# Altium PCB volt_sensor_breakout.PcbDoc (part 1 of 2) (continued)
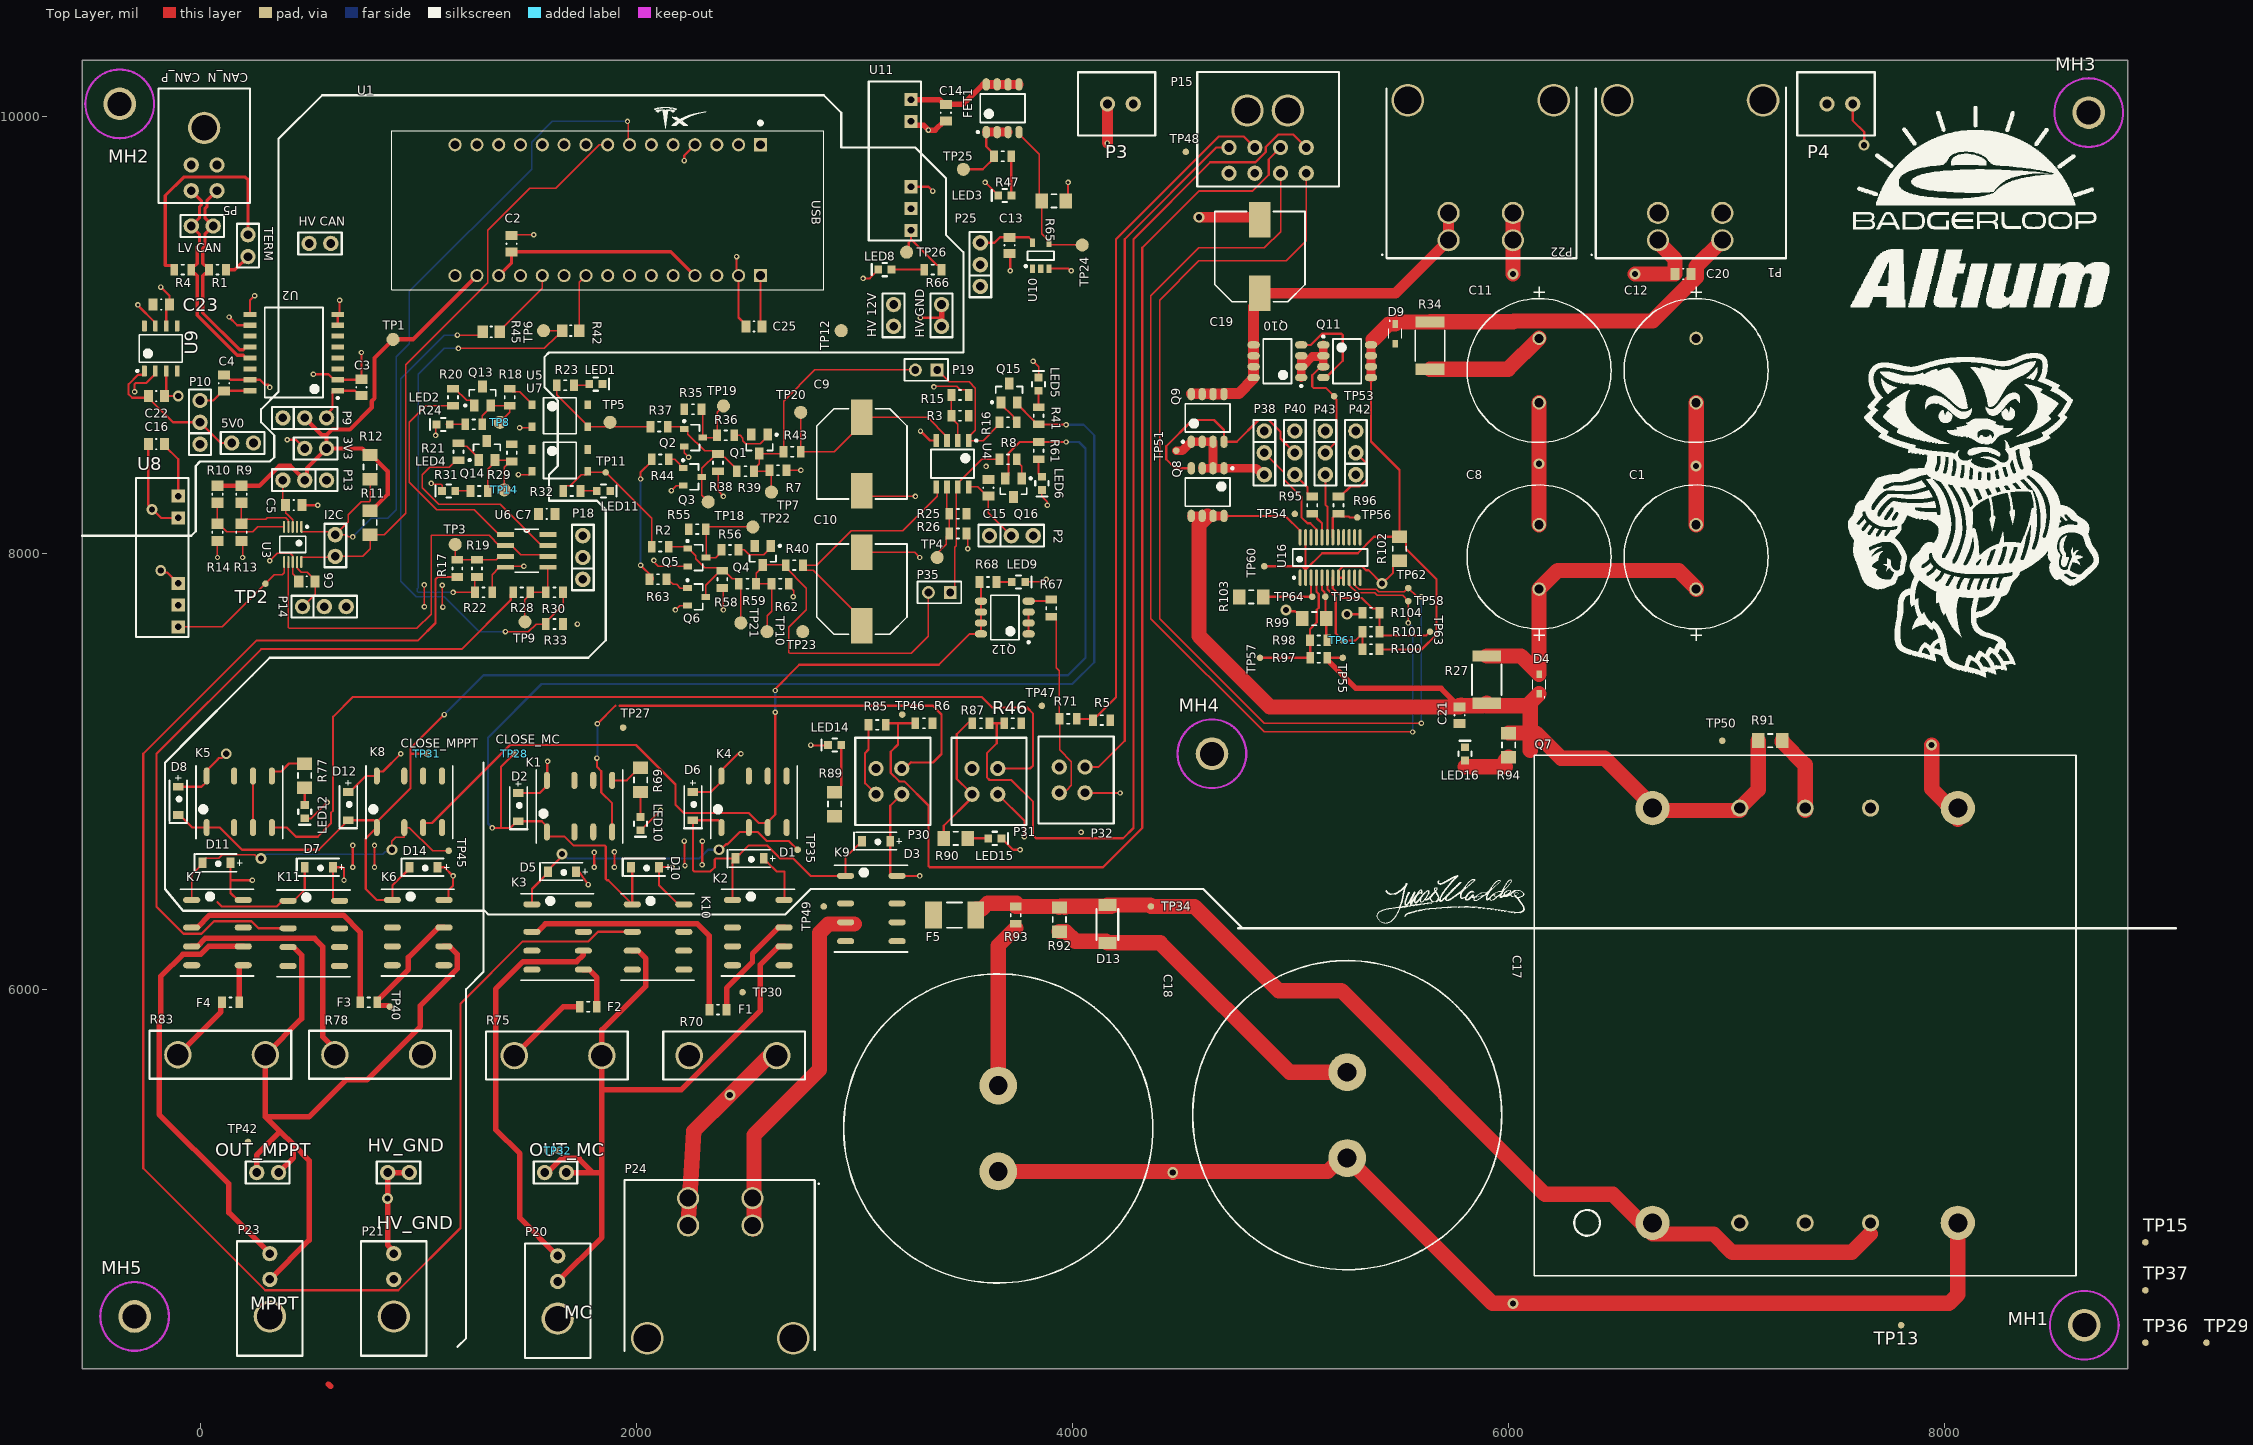
[diagram p0: Top Layer view]
## Components (designator, comment, footprint, x,y, rotation, side; value= is the part's Value field where it differs from the comment) (continued)
R61 "ERJ-P06J511V" SMD-0805-RES 3845,8470 r90 top value=510
R62 "ERJ-6ENF3602V" SMD-0805-RES 2660,7860 r180 top value=36k
R63 "ERJ-P06F1001V" SMD-0805-RES 2100,7880 r180 top value=1k
R65 "ERJ-8ENF1002V" SMD-1206-RES 3915,9615 r180 top value=10k
R66 "ERJ-P06J511V" SMD-0805-RES 3360,9300 r0 top value=510
R67 "ERJ-P06F1001V" SMD-0805-RES 3902.93,7747.82 r270 top value=1k
R68 "ERJ-P06J511V" SMD-0805-RES 3612.93,7867.82 r180 top value=510
R69 "RMCF1206FT510R" SMD-1206-RES 2020,6960 r270 top
R70 "AP101220RJ" TO-247-2 2644.36,5696.28 r180 top
R71 "3.46K" SMD-0805-RES 3980.63,7240 r0 top
R75 "AP101220RJ" TO-247-2 1441.21,5696.28 r0 top
R77 "RMCF1206FT510R" SMD-1206-RES 480,6980 r270 top
R78 "AP101220RJ" TO-247-2 1020,5700 r180 top
R83 "AP101220RJ" TO-247-2 -101.57,5700 r0 top
R85 "3.46K" SMD-0805-RES 3104.86,7212.35 r0 top
R87 "3.46K" SMD-0805-RES 3580.63,7220 r0 top
R89 "RMCF1206FT510R" SMD-1206-RES 2909.49,6849.42 r90 top
R90 "RMCF1206FT510R" SMD-1206-RES 3464.86,6692.35 r0 top
R91 "931k" SMD-1206-RES 7200,7140 r180 top
R92 "100R" SMD-1206-RES 3940,6320 r90 top
R93 "3" SMD-0805-RES 3740,6340 r90 top
R94 "RMCF1206FT510R" SMD-1206-RES 6000,7120 r270 top
R95 "10" SMD-0805-RES 5100,8220 r90 top
R96 "10" SMD-0805-RES 5220,8220 r90 top
R97 "1MR" SMD-0805-RES 5129.72,7520 r180 top
R98 "37.4kR" SMD-0805-RES 5129.09,7600 r180 top
R99 "73.2k" SMD-1206-RES 5109.09,7700 r0 top
R100 "1MR" SMD-0805-RES 5369.09,7560 r180 top
R101 "14.2kR" SMD-0805-RES 5369.09,7640 r180 top
R102 "3.3k" SMD-1206-RES 5500,8020 r90 top
R103 "255k" SMD-1206-RES 4820,7800 r0 top
R104 "80.6k" SMD-0805-RES 5369.09,7726.78 r0 top
TERM "Header 2" "Pin Header 1x2 TH Pitch 2.54mm" 220,9460 r270 top
TP1 "D3V3" "Test Point"#1 885,8980 r90 top
TP2 "HV12" "Test Point"#2 300,7860 r90 top
TP3 "MC_OP" "Test Point"#1 1170,8040 r90 top
TP4 "MPPT_CL" "Test Point"#1 3380,7980 r180 top
TP5 "MC_PRC" "Test Point"#1 1880,8600 r90 top
TP6 "MC_ADC" "Test Point"#1 1575,9020 r90 top
TP7 "BJT_OUT" "Test Point"#1 2620,8280 r90 top
TP8 "MC_TH" "Test Point"#1 1375,8600 r90 top
TP9 "MPPT_OP" "Test Point"#1 1490,7685 r270 top
TP10 "BJT_OUT" "Test Point"#1 2600,7640 r90 top
TP11 "MPPT_PRC" "Test Point"#2 1860,8370 r90 top
TP12 "MPPT_ADC" "Test Point"#1 2940,9020 r90 top
TP13 "MPPT_HV" "Test Point"#2 7800,4460 r90 top
TP14 "MPPT_TH" "Test Point"#1 1395,8290 r90 top
TP15 "MPPT_HV" "Test Point"#2 8920,4840 r90 top
TP18 "MC_LT_I" "Test Point"#1 2330,8235 r90 top
TP19 "MC_LT_D" "Test Point"#1 2400,8675 r90 top
TP20 "MC_CL" "Test Point"#1 2754.37,8645.63 r90 top
TP21 "MPPT_LT_I" "Test Point"#1 2480,7680 r90 top
TP22 "MPPT_LT_D" "Test Point"#1 2535,8120 r90 top
TP23 "MPPT_CL" "Test Point"#1 2763.63,7640 r90 top
TP24 "12V_OFF" "Test Point"#1 4045,9413 r0 top
TP25 "LV_12" "Test Point"#1 3500,9760 r90 top
TP26 "HV12" "Test Point"#1 3240,9380 r180 top
TP27 "TP" "Test Point"#2 1940,7200 r180 top
TP28 "TP" "Test Point"#2 1440,7080 r180 top
TP29 "TP" "Test Point"#2 9200,4380 r90 top
TP30 "TP" "Test Point"#2 2487.67,5987.08 r180 top
TP31 "TP" "Test Point"#2 1040,7080 r180 top
TP32 "TP" "Test Point"#2 1640,5260 r180 top
TP34 "TP" "Test Point"#2 4360,6380 r90 top
TP35 "TP" "Test Point"#2 2740,6640 r180 top
TP36 "TP" "Test Point"#2 8920,4380 r90 top
TP37 "TP" "Test Point"#2 8920,4620 r90 top
TP40 "TP" "Test Point"#2 870.35,5920 r180 top
TP42 "TP" "Test Point"#2 220,5300 r180 top
TP45 "TP" "Test Point"#2 1140,6635.27 r180 top
TP46 "TP" "Test Point"#2 3220,7260 r0 top
TP47 "TP" "Test Point"#2 3860,7300 r0 top
TP48 "TP" "Test Point"#2 4520,9840 r0 top
TP49 "TP" "Test Point"#2 2860,6380 r90 top
TP50 "TP" "Test Point"#2 6980,7140 r90 top
TP51 "TP" "Test Point"#2 4476.2,8470 r180 top
TP53 "TP" "Test Point"#2 5200,8720 r180 top
TP54 "TP" "Test Point"#2 5020,8180 r180 top
TP55 "TP" "Test Point"#2 5240,7520 r270 top
TP56 "TP" "Test Point"#2 5306.61,8163.8 r180 top
TP57 "TP" "Test Point"#2 4860,7520 r270 top
TP58 "TP" "Test Point"#2 5540,7780 r270 top
TP59 "TP" "Test Point"#2 5160,7800 r270 top
TP60 "TP" "Test Point"#2 4880,7940 r270 top
TP61 "TP" "Test Point"#2 5240,7600 r270 top
TP62 "TP" "Test Point"#2 5540,7840 r0 top
TP63 "TP" "Test Point"#2 5640,7640 r270 top
TP64 "TP" "Test Point"#2 5100,7800 r270 top
U1 "NUCLEO-L432KC" NUCLEO-L432KC 2569.37,9872.6 r270 top
U2 "ISO1050DWR" "IL 41050TE" 430,8920 r180 top
U3 "DS3502U+T&R" MAXM-U10+2_L 425,8040 r270 top
U4 "TL072CDR" SOP127P600X175-8N 3450,8410 r270 top
U5 "IS181D" IS181D 1650,8630.37 r0 top
U6 "TLV3702CD" TLV3702CD-Footprint-1 1498,8015 r0 top
U7 "IS181D" IS181D 1650,8425.37 r0 top
U8 "TMV1212S" TMV1212S-Footprint-1 -173.62,7980 r270 top
U9 "UA78L05ACDR" D0008A_L -180,8938.73 r90 top
U10 "BU4S81G2-TR" BU4S81G2 3855,9364 r90 top
U11 "TMV1212S" TMV1212S-Footprint-1 3186.38,9798.5 r270 top
U16 "LTC4417HGN#PBF" LT-GN-24_L 5181.69,7980 r90 top

## Footprints (in the part's own frame and the unit in brackets; to place one, negate y for a bottom-side part, rotate by r counter-clockwise, add the part's x,y. Pads: shape width x height; smd on the part's side, far side on the other; paste and mask are expansions set on the pad)
"1-1462039-8 - relay" [mm] "SOIC, 8-Leads, Body 10.00x6.00mm, Pitch 1.27mm, IPC Medium Density"
  oval 2x0.7 smd: 1(-3,3.8) 2(-3,0.6) 3(-3,-1.6) 4(-3,-3.8) 5(3,-3.8) 6(3,-1.6) 7(3,0.6) 8(3,3.8)
  silkscreen extent -4.3,-5.05 4.2,5.05, body extent -3.05,-5.05 3.05,5.05, height 5.65
35YXJ2200M16X25-Footprint-1 [mil]
  round 62 hole 42 mask+0: 1(-145,0) 2(150.28,0)
  silkscreen extent -382,-330 333,330, body extent -322,-325 329,325, height 1064
"0679L9150-05 - fuse smd" [mm] "Chip Diode, 2-Leads, Body 6.10x2.54mm, IPC Medium Density"
  rect 1.96x3.15 smd: 1(-2.455,0) 2(2.455,0)
  silkscreen extent -0.9,-1.47 0.9,1.48, body extent -3.17,-1.39 3.17,1.4, height 2.79
43045-0277 [mil]
  round 70 hole 40: 1(-59.06,0) 2(59.06,0)
  silkscreen extent -195,-145 160,145, body extent -190,-140 155,141, height 195
430450200 [mil]
  round 70 hole 40: 1(0,170) 2(0,288)
  round 148 hole 118: 3(0,0)
  silkscreen extent -150,-180 150,345, body extent -141,-185 141,297, height 340
430450400 [mil]
  round 70 hole 40: 1(59,170) 2(-59,170) 3(59,288) 4(-59,288)
  round 148 hole 118: 5(0,0)
  silkscreen extent -210,-181 210,344, body extent -200,-180 200,302, height 340
430450427 [mil]
  round 70 hole 40: 1(59,-60) 2(-59,-60) 3(59,58) 4(-59,58)
  silkscreen extent -200,-155 200,190, body extent -200,-155 200,190, height 195
430450800 [mil]
  round 70 hole 40: 1(84,170) 2(-34,170) 3(-152,170) 4(-270,170) 5(84,288) 6(-34,288) 7(-152,288) 8(-270,288)
  round 148 hole 118: 9(-185,0) 9(0,0)
  silkscreen extent -420,-176 230,349, body extent -413,-180 223,302, height 340
ALA7DA241DE600 [mm]
  round 4.4 hole 2.2: 1(0,0) 2(10,0)
  silkscreen extent -13,-18 23,18, body extent -12.84,-17.7 23.16,18.3, height 45
BU4S81G2 [mm]
  rect 1x0.6 smd: 1(-1.5,0.95) 2(-1.5,0) 3(-1.5,-0.95) 4(1.5,-0.95) 5(1.5,0.95)
  silkscreen extent -1.35,-1.55 0.5,1.87, body extent -0.9,-1.55 0.9,1.55, height 1.25
CAPAE110103X110N [mm] "Aluminum Electrolytic Capacitor, Body 10.30x10.30x11.00mm, IPC Medium Density"
  rect 4.15x2.5 smd: 1(-4.275,0) 2(4.275,0)
  silkscreen extent -5.25,-5.25 5.25,5.25, body extent -5.25,-5.25 5.25,5.25, height 11
"CONN HDR 2POS 7.50MM" [mm]
  round 2.58 hole 1.98: 1(4.75,16.31) 1(4.75,13.13) 2(12.243,13.13) 2(12.243,16.31)
  round 3.81 hole 3.175: ""(0,0) ""(16.993,0)
  silkscreen extent -2.67,-1.49 20,18.42, body extent -2.29,-3.05 18.8,16.74, height 15.12
D0008A_L [mm] "SOIC, 8-Leads, Body 5x4mm, Pitch 1.27mm, IPC High Density"
  rrect18% 1.25x0.55 smd: 1(-2.625,1.905) 2(-2.625,0.635) 3(-2.625,-0.635) 4(-2.625,-1.905) 5(2.625,-1.905) 6(2.625,-0.635) 7(2.625,0.635) 8(2.625,1.905)
  silkscreen extent -2.75,-2.5 1.6,2.85, body extent -3,-2.45 3,2.45, height 1.63
FAIR-SOT23-3_V [mm] "SOT23, 3-Leads, Body 3.12x1.5mm, Pitch 0.95mm"
  rect 1.4x1 smd: 1(-1.1,0.95) 2(-1.1,-0.95) 3(1.1,0)
  silkscreen extent -1.22,-1.55 0.75,2.13, body extent -1.35,-1.56 1.35,1.56, height 1.2
FP-RMCF2512-IPC_C [mil]
  rect 51.35x132.09 smd paste+0 mask+0: 1(-108.31,0) 2(108.31,0)
  silkscreen extent -71,-68 71,68, body extent -138,-72 138,72, height 10
HDR1X2 [mm] "Connector; Header; 2 Position"
  rect 1.5x1.5 hole 0.9: 1(0,0)
  round 1.5 hole 0.9: 2(2.54,0)
  silkscreen extent -1.27,-1.27 3.81,1.27
"IL 41050TE" [mm]
  rect 1.5x0.6 smd: 1(-5.12,4.445) 2(-5.12,3.175) 3(-5.12,1.905) 4(-5.12,0.635) 5(-5.12,-0.635) 6(-5.12,-1.905) 7(-5.12,-3.175) 8(-5.12,-4.445) 9(5.12,-4.445) 10(5.12,-3.175) 11(5.12,-1.905) 12(5.12,-0.635) 13(5.12,0.635) 14(5.12,1.905) 15(5.12,3.175) 16(5.12,4.445)
  silkscreen extent -5.25,-5.25 3.4,5.42, body extent -5.16,-5.25 5.16,5.25, height 2.67
IS181D [mm]
  rect 0.8x1 smd: 1(-3.25,1.27) 2(-3.25,-1.27) 3(3.25,-1.27) 4(3.25,1.27)
  silkscreen extent -1.9,-2.1 1.9,2.1, body extent -2.3,-2.1 2.3,2.1, height 2
"LED 0603 GREEN" [mm] "Chip Diode, 2-Leads, Body 1.60x0.80mm, IPC Medium Density"
  rect 0.9x0.95 smd: 1(-0.775,0) 2(0.775,0)
  silkscreen extent -0.25,-0.76 1.52,0.76, body extent -0.8,-0.4 0.8,0.4, height 0.8
"LED 0603 ORANGE" [mm] "Chip Diode, 2-Leads, Body 1.60x0.80mm"
  rect 0.9x0.95 smd: 1(-0.775,0) 2(0.775,0)
  silkscreen extent -0.25,-0.76 1.52,0.76, body extent -0.8,-0.4 0.8,0.4, height 0.8
LT-GN-24_L [mm] "SOP, 24-Leads, Body 8.7x4mm, Pitch 0.635mm, IPC High Density"
  oval 1.9x0.35 smd: 1(-2.35,3.492) 2(-2.35,2.857) 3(-2.35,2.222) 4(-2.35,1.587) 5(-2.35,0.952) 6(-2.35,0.317) 7(-2.35,-0.318) 8(-2.35,-0.953) 9(-2.35,-1.588) 10(-2.35,-2.222) 11(-2.35,-2.857) 12(-2.35,-3.492) 13(2.35,-3.492) 14(2.35,-2.857) 15(2.35,-2.222) 16(2.35,-1.587) 17(2.35,-0.952) 18(2.35,-0.317) 19(2.35,0.318) 20(2.35,0.953) 21(2.35,1.588) 22(2.35,2.222) 23(2.35,2.857) 24(2.35,3.492)
  silkscreen extent -2.47,-4.35 1,4.35, body extent -2,-4.35 2,4.35, height 1.75
MAXM-U10+2_L [mm] "SOP, 10-Leads, Body 3x3mm, Pitch 0.5mm, IPC High Density"
  oval 1.4x0.25 smd: 1(-2.05,1) 2(-2.05,0.5) 3(-2.05,0) 4(-2.05,-0.5) 5(-2.05,-1) 6(2.05,-1) 7(2.05,-0.5) 8(2.05,0) 9(2.05,0.5) 10(2.05,1)
  silkscreen extent -2.17,-1.52 0.95,1.8, body extent -1.55,-1.55 1.55,1.55, height 1.1
"MBR0520LT1G - SOD123" [mm] "TSSOP, 2-Leads, Body 1.60x2.69mm, Pitch 0.00mm, IPC Medium Density"
  rect 0.91x1.22 smd: 1(-1.64,0) 2(1.64,0)
  silkscreen extent -2.99,-1.02 2.58,1.02, body extent -1.35,-0.85 1.35,0.85, height 1.04
"Mounting Hole" [mil]
  round 150 hole 110: 1(0,0)
  Keep-Out Layer circle w10: c0,0 r157.48
NUCLEO-L432KC [mm]
  rect 1.53x1.53 hole 1.02: 3.1(0,0) 4.1(15.24,0)
  round 1.53 hole 1.02: 3.2(0,-2.54) 3.3(0,-5.08) 3.4(0,-7.62) 3.5(0,-10.16) 3.6(0,-12.7) 3.7(0,-15.24) 3.8(0,-17.78) 3.9(0,-20.32) 3.10(0,-22.86) 3.11(0,-25.4) 3.12(0,-27.94) 3.13(0,-30.48) 3.14(0,-33.02) 3.15(0,-35.56) 4.2(15.24,-2.54) 4.3(15.24,-5.08) 4.4(15.24,-7.62) 4.5(15.24,-10.16) 4.6(15.24,-12.7) 4.7(15.24,-15.24) 4.8(15.24,-17.78) 4.9(15.24,-20.32) 4.10(15.24,-22.86) 4.11(15.24,-25.4) 4.12(15.24,-27.94) 4.13(15.24,-30.48) 4.14(15.24,-33.02) 4.15(15.24,-35.56)
  silkscreen extent -2.74,-42.92 16.89,7.36, body extent -5.13,-47.16 19.87,10.84, height 6.96
"Pin Header 1x2 TH Pitch 2.54mm" [mm] "PinHeader 1x2 TH Pitch 2.54mm"
  round 1.8 hole 1: 1(0,0) 2(2.54,0)
  silkscreen extent -1.27,-1.27 3.81,1.27, body extent -1.27,-1.27 3.81,1.27, height 9.5
"Pin Header 1x3 TH Pitch 2.54mm" [mm] "PinHeader 1x3 TH Pitch 2.54mm"
  round 1.8 hole 1: 1(0,0) 2(2.54,0) 3(5.08,0)
  silkscreen extent -1.27,-1.27 6.35,1.27, body extent -1.27,-1.27 6.35,1.27, height 9.5
PU3DFSH [mm]
  rect 1.4x2.1 smd: 1(-2.2,0) 2(2.2,0)
  silkscreen extent -1.85,-1.28 1.75,1.28, body extent -1.97,-1.15 1.88,1.15, height 0.9
RESC2013X60X35ML10T20 [mm] "Chip Resistor, 2-Leads, Body 2.1x1.35mm, IPC Low Density"
  rect 1.2x1.45 smd: 1(-1,0) 2(1,0)
  silkscreen extent -0.1,-0.63 0.1,0.63, body extent -1.05,-0.68 1.05,0.67, height 0.6
RPA200H [mm]
  round 4 hole 2.2: 1(-24.15,17.78) 5(-24.15,-17.78) 6(24.15,-17.78) 10(24.15,17.78)
  round 2 hole 1.3: 2(-24.15,7.62) 3(-24.15,0) 4(-24.15,-7.62) 7(24.15,-7.62) 8(24.15,0) 9(24.15,7.62)
  silkscreen extent -30.3,-31.55 30.3,31.55, body extent -30.27,-31.57 30.33,31.57, height 13
RS3L110AT [mm] "SOP, 8-Leads, Body 5.00x3.90mm, Pitch 1.27mm, IPC Medium Density"
  oval 1.45x0.85 smd: 1(-2.775,1.905) 2(-2.775,0.635) 3(-2.775,-0.635) 4(-2.775,-1.905) 5(2.775,-1.905) 6(2.775,-0.635) 7(2.775,0.635) 8(2.775,1.905)
  silkscreen extent -2.9,-2.6 1.65,3, body extent -2.05,-2.6 2.05,2.6, height 1.75
SMD-0805-RES [mm]
  rect 0.9x1.35 smd: 1(-1,0) 2(1,0)
  silkscreen extent -0.15,-0.58 0.15,0.58, body extent -1.1,-0.67 1.1,0.67, height 0.5
SMD-0805C [mm]
  rect 1.05x1.4 smd: 1(-0.95,0) 2(0.95,0)
  silkscreen extent -0.05,-0.6 0.05,0.6, body extent -1.1,-0.67 1.1,0.67, height 0.5
SMD-1206-RES [mm]
  rect 1.45x1.75 smd: 1(-1.4,0) 2(1.4,0)
  silkscreen extent -0.3,-0.77 0.3,0.77, body extent -1.78,-0.87 1.78,0.87, height 0.5
SODFL250X110-2N [mm] "SODFL, 2-Leads, Body 1.30x2.50mm, IPC Medium Density"
  rect 0.9x0.65 smd: 1(-1.15,0) 2(1.15,0)
  silkscreen extent -0.51,-0.76 1.57,0.76, body extent -1.25,-0.7 1.25,0.7, height 1.1
SOP127P600X175-8N [mm] "SOP, 8-Leads, Body 4.91x3.90mm, Pitch 1.27mm, IPC Medium Density"
  rect 1.55x0.65 smd: 1(-2.7,1.905) 2(-2.7,0.635) 3(-2.7,-0.635) 4(-2.7,-1.905) 5(2.7,-1.905) 6(2.7,-0.635) 7(2.7,0.635) 8(2.7,1.905)
  silkscreen extent -2.82,-2.5 1.65,2.91, body extent -3,-2.5 3,2.5, height 1.75
SOTFL103P240X110-3N [mm]
  rect 1x0.7 smd: 1(0.576,2.681) 2(0.576,0.621) 3(2.726,1.651)
  silkscreen extent 0.45,0.15 2.35,3.71, body extent 0.45,0.15 2.85,3.15, height 1.1
"Test Point"#1 [mil] "SMD Test Point"
  round 60 smd: 1(0,0)
"Test Point"#2 [mil] "SMD Test Point"
  round 30 smd: 1(0,0)
TLV3702CD-Footprint-1 [mil]
  rect 78x22 smd: 1(-97,70) 2(-97,20) 3(-97,-30) 4(-97,-80) 5(97,-80) 6(97,-30) 7(97,20) 8(97,70)
  silkscreen extent -54,-104 54,94, body extent -122,-104 122,94, height 69
TMV1212S-Footprint-1 [mil]
  rect 60x60 hole 30: 1(-281.5,73.62) 2(-181.5,73.62) 5(118.5,73.62) 6(218.5,73.62) 7(318.5,73.62)
  silkscreen extent -364,-120 364,120, body extent -360,-115 360,115, height 402
TO-247-2 [mm]
  round 3.2 hole 2.5: 1(0,0) 2(10.2,0)
  silkscreen extent -3.3,-2.79 13.21,2.79, body extent -3.02,-2.54 12.93,2.49, height 26

## Part data
3V3 5V0 "HV 12V" "HV CAN" "HV GND" HV_GND I2C "LV CAN" OUT_MC OUT_MPPT TERM: library part CMP-002-00072-1, "Header, 2-Pin", Design Item ID="Header 2", LatestRevisionDate=17-Jul-2002, LatestRevisionNote="Re-released for DXP Platform.", Publisher="Altium Limited", Source=connector.SchLib, Type=Connector
C1 C8 C11 C12: library part CMP-001-00497-1, "Aluminum Electrolytic Capacitor, Polarized, Aluminum (wet), 35V, 20% +Tol, 20% -Tol, 2200uF", Capacitor Type=Aluminium, Max Operating Temperature=105°C, Min Operating Temperature=-40°C, Ripple Current=2.93A, RoHS Compliant=Yes
C2 C3 C4 C5 C6 C7 C13 C14 C15 C16 C25: library part CMP-001-00205-1, "CAP CER 10UF 10V X7R 0805", Digi-Key Part Number=490-10674-1-ND, Manufacturer="Murata Electronics North America", Operating Temperature="-55°C ~ 125°C", Package / Case="0805 (2012 Metric)", Ratings=AEC-Q200, Temperature Coefficient=X7R, Tolerance=10%, Voltage=10V, @ qty=0, Applications=Automotive, Datasheets=http://www.murata.com/~/media/webrenewal/support/library/catalog/products/capacitor/mlcc/c03e.ashx, Design Item ID=GCM21BR71A106KE22L, Factory Stock=0, Features=-, Height - Seated (Max)=-, Image=//media.digikey.com/photos/Murata%20Photos/NCP,GCM%20SERIES%200805.jpg, Lead Spacing=-, Lead Style=-, Minimum Quantity=1, Mounting Type="Surface Mount, MLCC", Packaging="Cut Tape (CT)", Part Number=GCM21BR71A106KE22L, Part Status=Active, Quantity Available=125344, Series=GCM, Source=capacitors.SchLib, Unit Price (USD)=0.49
C9 C10 C19: "Aluminum Organic Polymer Capacitors 25V 330uf", Capacitance=330µF, ComponentLink1Description=Link, ComponentLink1URL=https://www.mouser.com/ProductDetail/Nichicon/GYB1E331MCW1GS?qs=sGAEpiMZZMvwFf0viD3Y3a3yb5D6sPUgteTcG6zlWVz7Qxll6G9Nxw%3D%3D
C17: library part ALC70A102DD250, "CAP ALUM 1000UF 20% 250V SNAP", Manufacturer=KEMET, Supplier Part Number 1=399-19601-ND, Manufacturer Part Number=ALC70A102DD250, Pricing 1="1=8.59000, 10=7.63400, 50=6.67940, 100=6.10700, 500=5.24818, 1000=4.86649, 2500=4.83468 (USD)", RoHS=Yes, Stock 1=897, Supplier 1=Digi-Key
C18: "CAP ALUM 240UF 20% 600V SNAP", Capacitance=240, ComponentLink1Description=https://www.digikey.com/en/products/detail/kemet/ALA7DA241DE600/13676315, Manufacturer Part Number=ALA7DA241DE600
C20 C21: library part GCJ21BR71H104KA01L, "CAP CER 0.1UF 50V X7R 0805", Digi-Key Part Number=490-5803-1-ND, Manufacturer="Murata Electronics North America", Operating Temperature="-55°C ~ 125°C", Package / Case="0805 (2012 Metric)", Ratings=AEC-Q200, Temperature Coefficient=X7R, Tolerance=±10%, Voltage=50V, @ qty=0, Applications="Automotive, Boardflex Sensitive", Datasheets=http://www.murata.com/~/media/webrenewal/support/library/catalog/products/capacitor/mlcc/c03e.ashx, Factory Stock=0, Features="Soft Termination", Height - Seated (Max)=-, Image=//media.digikey.com/Renders/Murata%20Renders/0805%20(2012%20Metric)%20.85mm.jpg, Lead Spacing=-, Lead Style=-, Minimum Quantity=1, Mounting Type="Surface Mount, MLCC", Packaging="Cut Tape (CT)", Part Number=GCJ21BR71H104KA01L, Part Status=Active, Quantity Available=700, Series=GCJ, Size / Dimension="0.079\" L x 0.049\" W (2.00mm x 1.25mm)", Thickness (Max)="0.057\" (1.45mm)", Unit Price (USD)=0.24
C22: library part CGA4J3X7T2E104K125AA, "Cap Ceramic 0.1uF 250V X7T 10% SMD 0805 125°C Blister Plastic T/R", Capacitance=100nF, Case Code (Imperial)=0805, Case Code (Metric)=2012, Dielectric=X7T, Manufacturer=TDK, Max Operating Temperature=125°C, Min Operating Temperature=-55°C, Package Quantity=2000, Ratings=AEC-Q200, Resistor Type=Ceramic, Tolerance=10%, Voltage Rating=250V, Case/Package=0805, Category="Ceramic Capacitors", ComponentLink1Description=https://datasheet.ciiva.com/22703/1807242-22703721.pdf?src-supplier=Element14, ComponentLink1URL=https://datasheet.ciiva.com/22703/1807242-22703721.pdf?src-supplier=Element14, Construction=Flat, Depth=1.25mm, Height=1.25mm, Length=2mm, Manufacturer Part Number=CGA4J3X7T2E104K125AA, Mount="Surface Mount", Packaging="Tape and Reel", Pricing 1="1=0.33000, 10=0.22600, 50=0.15820, 100=0.13560, 500=0.10172, 1000=0.08590 (USD)", Radiation Hardening=No, REACH SVHC="No SVHC", RoHS=Yes, RoHS Compliant=Yes, Series=CGA, Stock 1=335314, Supplier 1=Digi-Key, Supplier Part Number 1=0.1uF, Termination=SMD/SMT, Thickness=0.057inch, Voltage Rating (DC)=250V, Weight=0.000194oz, Width=1.25mm
C23: library part GRM21AR72A334KAC5L, "CAP CER 0.33UF 100V X7R 0805", Digi-Key Part Number=490-6462-1-ND, Manufacturer="Murata Electronics North America", Operating Temperature="-55°C ~ 125°C", Package / Case="0805 (2012 Metric)", Ratings=-, Temperature Coefficient=X7R, Tolerance=±10%, Voltage=100V, @ qty=0, Applications="General Purpose", Datasheets=http://www.murata.com/~/media/webrenewal/support/library/catalog/products/capacitor/mlcc/c02e.pdf, Factory Stock=0, Features=-, Height - Seated (Max)=-, Image=//media.digikey.com/Renders/Murata%20Renders/0805%20(2012%20Metric)%20.85mm.jpg, Lead Spacing=-, Lead Style=-, Minimum Quantity=1, Mounting Type="Surface Mount, MLCC", Packaging="Cut Tape (CT)", Part Number=GRM21AR72A334KAC5L, Part Status=Active, Quantity Available=80183, Series=GRM, Size / Dimension="0.079\" L x 0.049\" W (2.00mm x 1.25mm)", Thickness (Max)="0.039\" (1.00mm)", Unit Price (USD)=0.47
D1 D2 D3 D5 D6 D7 D8 D10 D11 D12 D14: "Rectifier Diode, Schottky, 1 Phase, 1 Element, 0.5A, 20V V(RRM), Silicon", Forward Voltage-Max (VF)=300mV, Manufacturer=MCC, Max Operating Temperature=125°C, Max Output Current=500mA, Max Power Dissipation=410mW, Non-rep Pk Forward Current-Max=5.5A, Package Body Material=Plastic, Package Shape=Rectangular, Package Style="SMALL OUTLINEMeter", Peak Reflow Temperature (Cel)=260°C, Rep Pk Reverse Voltage-Max=20V, Supplier Part Number 1=MBR0520L-TPMSCT-ND, Time @ Peak Reflow Temperature-Max (s)=10s, Category="Rectifier Diodes", ComponentLink1Description=https://datasheet.ciiva.com:443/pdfs/VipMasterIC/IC/MCCC/MCCC-S-A0007607609/MCCC-S-A0007607609-1.pdf?src-supplier=IHS+Markit, ComponentLink1URL=https://datasheet.ciiva.com:443/pdfs/VipMasterIC/IC/MCCC/MCCC-S-A0007607609/MCCC-S-A0007607609-1.pdf?src-supplier=IHS+Markit, ComponentLink2Description=https://datasheet.ciiva.com/24106/mbr0520lmbr0540lsod-123-276512-24106653.pdf?src-supplier=Mouser, ComponentLink2URL=https://datasheet.ciiva.com/24106/mbr0520lmbr0540lsod-123-276512-24106653.pdf?src-supplier=Mouser, ComponentLink3Description=https://datasheet.ciiva.com/6381/mbr0520lmbr0540lsod-123-6381109.pdf?src-supplier=Digi-Key, ComponentLink3URL=https://datasheet.ciiva.com/6381/mbr0520lmbr0540lsod-123-6381109.pdf?src-supplier=Digi-Key, Diode Element Material=SILICON, Diode Type=RECTIFIER, JESD-30 Code=R-PDSO-G2, JESD-609 Code=e3, Manufacturer Part Number=MBR0520L-TP, Moisture Sensitivity Level=1, Number of Elements=1, Number of Pins=2, Pricing 1="1=0.52000, 10=0.38700, 100=0.21930, 500=0.14520, 1000=0.11132 (USD)", Qualification Status="Not Qualified", REACH SVHC=Yes, RoHS=Yes, RoHS Compliant=Yes, Stock 1=75810, Supplier 1=Digi-Key, Surface Mount=Yes, Technology=SCHOTTKY, Terminal Finish=Tin, Terminal Form="Gull Wing", Terminal Position=DUAL
D4 D9: library part CMP-004-00041-1, "Diode Schottky 40V 1A 2-Pin SOD-323 T/R", Average Rectified Current=1A, Forward Voltage=620mV, Manufacturer=Diodes, Max Forward Surge Current (Ifsm)=3A, Max Operating Temperature=125°C, Max Repetitive Reverse Voltage (Vrrm)=40V, Max Reverse Current=50uA, Min Operating Temperature=-40°C, Natural Thermal Resistance=426°C/W, Package Quantity=3000, ComponentLink1Description=http://www.mouser.com/ds/2/115/ds31543-56649.pdf?src-supplier=Mouser, ComponentLink1URL=http://www.mouser.com/ds/2/115/ds31543-56649.pdf?src-supplier=Mouser, ComponentLink2Description=http://www.diodes.com//datasheets/ds31543.pdf?src-supplier=Avnet+Europe, ComponentLink2URL=http://www.diodes.com//datasheets/ds31543.pdf?src-supplier=Avnet+Europe, ComponentLink3Description=http://www.diodes.com/datasheets/ds31543.pdf?src-supplier=Digi-Key, ComponentLink3URL=http://www.diodes.com/datasheets/ds31543.pdf?src-supplier=Digi-Key, Contact Plating=Tin,Matte, Design Item ID=B140WS-7, Element Configuration=Single, Forward Current=1A, Height=1.1mm, Length=1.8mm, Max Reverse Voltage (DC)=40V, Mount="Surface Mount", Packaging="Tape and Reel", Peak Non-Repetitive Surge Current=3A, Pins=2, Pricing 1="1=0.41, 10=0.293, 100=0.1476, 500=0.13076, 1000=0.10176 (USD)", RoHS Compliant=Yes, Series=-, Source=misc.SchLib, Stock 1=38792, Weight=0.000173oz, Width=1.4mm
D13: "Diode Standard 200 V 3A (DC) Surface Mount SOD-128", ComponentLink1Description="Digikey Link", ComponentLink1URL=https://www.digikey.com/en/products/detail/taiwan-semiconductor-corporation/PU3DFSH/15517034
F1 F2 F3 F4: "Electric Fuse, Very Fast Blow, 5A, 32VDC, 50A (IR), Surface Mount", Current Rating=5A, Manufacturer=Vishay, Max Operating Temperature=35°C, Min Operating Temperature=15°C, Rated Breaking Capacity=50A, Supplier Part Number 1=MFU08055.00CT-ND, Voltage Rating (DC)=32V, Blow Characteristic="VERY FAST", Body Breadth=1.25inch, Body Height=0.45mm, Body Length or Diameter=2mm, Category=Fuses, Circuit Protection Type="Electric Fuse", ComponentLink1Description=https://datasheet.ciiva.com:443/pdfs/VipMasterIC/IC/VISH/VISH-S-A0001809179/VISH-S-A0001809179-1.pdf?src-supplier=IHS+Markit, ComponentLink1URL=https://datasheet.ciiva.com:443/pdfs/VipMasterIC/IC/VISH/VISH-S-A0001809179/VISH-S-A0001809179-1.pdf?src-supplier=IHS+Markit, ComponentLink2Description=https://datasheet.ciiva.com/1730/mfuserie-1730720.pdf?src-supplier=Newark, ComponentLink2URL=https://datasheet.ciiva.com/1730/mfuserie-1730720.pdf?src-supplier=Newark, ComponentLink3Description=https://datasheet.ciiva.com/11337/mfuserie-11337721.pdf?src-supplier=Avnet, ComponentLink3URL=https://datasheet.ciiva.com/11337/mfuserie-11337721.pdf?src-supplier=Avnet, ComponentLink4Description=https://datasheet.ciiva.com/8057/1480005-8057917.pdf?src-supplier=Element14, ComponentLink4URL=https://datasheet.ciiva.com/8057/1480005-8057917.pdf?src-supplier=Element14, ComponentLink5Description=https://datasheet.ciiva.com/22734/1480005-22734093.pdf?src-supplier=Element14, ComponentLink5URL=https://datasheet.ciiva.com/22734/1480005-22734093.pdf?src-supplier=Element14, ComponentLink6Description=https://datasheet.ciiva.com/17414/mfuserie-17414775.pdf?src-supplier=Avnet+Europe, ComponentLink6URL=https://datasheet.ciiva.com/17414/mfuserie-17414775.pdf?src-supplier=Avnet+Europe, ComponentLink7Description=https://datasheet.ciiva.com/1730/mfuserie-1730721.pdf?src-supplier=Newark, ComponentLink7URL=https://datasheet.ciiva.com/1730/mfuserie-1730721.pdf?src-supplier=Newark, JESD-609 Code=e3, Joule-integral-Nom=0.2275J, Manufacturer Part Number=MFU0805FF05000P100, Mount="Surface Mount", Packaging="Tape and Reel", Pricing 1="1=0.49000, 5=0.47600, 10=0.46200, 50=0.38880, 100=0.32270, 250=0.29340, 500=0.24940 (USD)", REACH SVHC=Yes, Reference Standard=UL, RoHS=Yes, RoHS Compliant=Yes, Stock 1=50547, Supplier 1=Digi-Key, Terminal Finish=Tin, Termination=Wraparound